# Altium PCB pdb.PcbDoc (part 1 of 3) (continued)
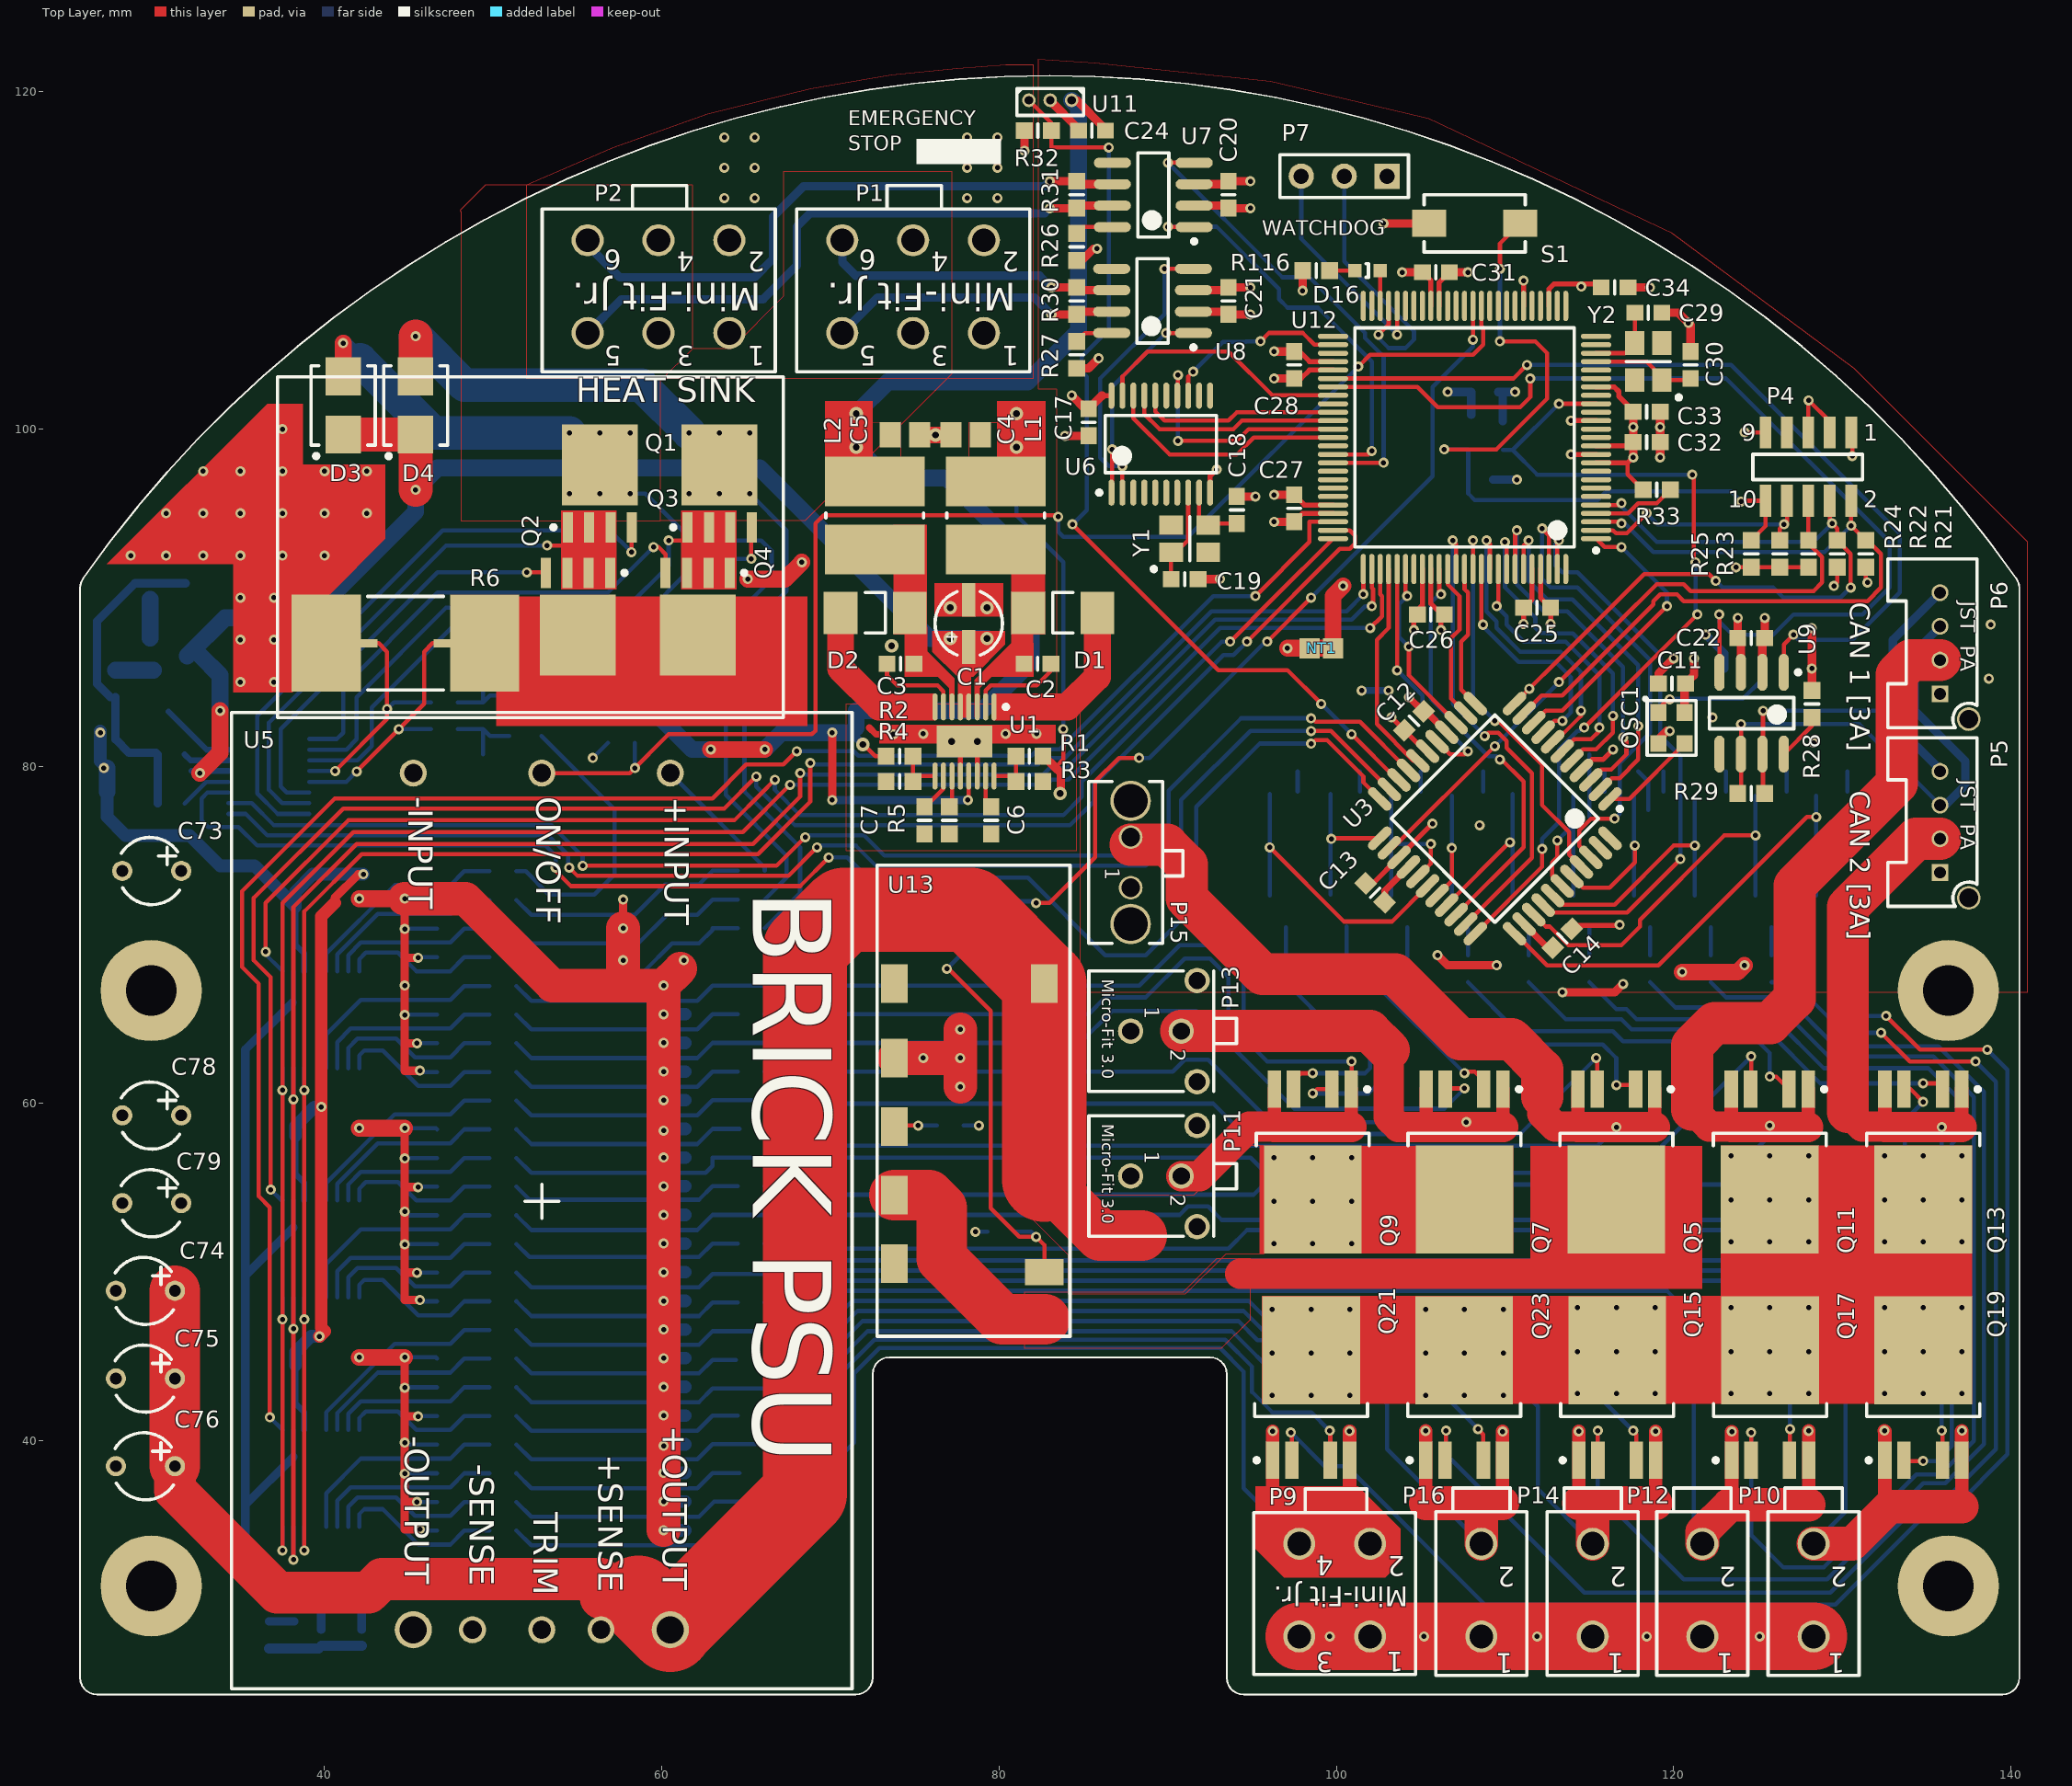
[diagram p0: Top Layer view]
## Design rules (kind name [scope] priority, off if disabled: settings)
Clearance PolygonPullback [All vs InPolygon] p1: gap=0.25
Clearance [All] p2: gap=0.15
ComponentClearance [All] p1: gap=0.25 collisioncheckmode=3 verticalgap=0.25 showdistances=FALSE
DiffPairsRouting [All] p1: maxlimit=0.3 minlimit=0.2 mostfreqgap=0.26 maxuncoupledlength=12.7
HoleSize [All] p1: absolutevalues=TRUE maxlimit=10 minlimit=0.2 maxpercent=80.000 minpercent=20.000
HoleToHoleClearance [All] p1: gap=0.25 allowstackedmicrovias=TRUE
MinimumAnnularRing [All] p1: minimumring=0.15
MinimumSolderMaskSliver [All] p1: minsoldermaskwidth=0.125
PlaneClearance [All] p1: clearance=0.25
PlaneConnect [All] p1: planeconnectstyle=Relief reliefexpansion=0.5 reliefentries=4 reliefconductorwidth=0.25 reliefairgap=0.25
PolygonConnect [All] p1: connectstyle=Relief reliefconductorwidth=0.25 reliefentries=4 polygonreliefangle="90 Angle"
RoutingVias [All] p1: holewidth=0.3 width=0.6 viastyle="Through Hole" minholewidth=0.3 minwidth=0.6 maxholewidth=0.4 maxwidth=0.8
SilkToSilkClearance [All] p1: silktosilkclearance=0.25
SilkscreenOverComponentPads [All] p1: minsilkscreentomaskgap=0.125
SolderMaskExpansion ViaCovering [(IsVia)] p1: expansion=-10
SolderMaskExpansion [All] p2: expansion=0.125
Width Power [InNetClass('Power')] p1: maxlimit=10 minlimit=0.25 preferedwidth=0.5
Width General [All] p2: maxlimit=10 minlimit=0.2 preferedwidth=0.25
19 further rules are at their usual default settings.

## Classes and differential pairs
channel class "output leds": U_outputleds1 U_outputleds2 U_outputleds3 U_outputleds4 U_outputleds5 U_outputleds6 U_outputleds7 U_outputleds8 U_outputleds9 U_outputleds10
channel class "output controller": "U_output controller1" "U_output controller2" "U_output controller3" "U_output controller4" "U_output controller5" "U_output controller6" "U_output controller7" "U_output controller8" "U_output controller9" "U_output controller10"
channel class "battery conn": "U_battery conn1" "U_battery conn2"
channel class ad7888: U_adc1 U_adc2 U_adc3
channel class "3.3V CAN Transciever": U_3 U_4 U_5
net class Power: +3.3 +5 GND NetC1_1
net class EN[1..10]: EN1 EN2 EN3 EN4 EN5 EN6 EN7 EN8 EN9 EN10
net class CPLD[15..0]: CPLD0 CPLD1 CPLD2 CPLD3 CPLD4 CPLD5 CPLD6 CPLD7 CPLD8 CPLD9 CPLD10 CPLD11 CPLD12 CPLD13 CPLD14 CPLD15
component class "U_spi can controller": C17 C18 C19 U6 Y1
component class "U_Reset Supervisor": C15 C16 U4
component class U_outputs: P9 P10 P11 P12 P13 P14 P15 P16
component class U_outputleds10: D14 R111
component class U_outputleds9: D13 R80
component class U_outputleds8: D12 R20
component class U_outputleds7: D11 R19
component class U_outputleds6: D10 R18
component class U_outputleds5: D9 R17
component class U_outputleds4: D8 R16
component class U_outputleds3: D7 R15
component class U_outputleds2: D6 R14
component class U_outputleds1: D5 R13
component class "U_output controller10": Q21 Q22 R75 R76 R77 R78 R79
component class "U_output controller9": Q19 Q20 R70 R71 R72 R73 R74
component class "U_output controller8": Q17 Q18 R65 R66 R67 R68 R69
component class "U_output controller7": Q15 Q16 R60 R61 R62 R63 R64
component class "U_output controller6": Q13 Q14 R55 R56 R57 R58 R59
component class "U_output controller5": Q11 Q12 R50 R51 R52 R53 R54
component class "U_output controller4": Q9 Q10 R45 R46 R47 R48 R49
component class "U_output controller3": Q7 Q8 R40 R41 R42 R43 R44
component class "U_output controller2": Q5 Q6 R35 R36 R37 R38 R39
component class "U_output controller1": Q23 Q24 R81 R82 R83 R84 R85
component class U_mcu: D16 P7 R116 U12
component class U_MCU_POWER: C25 C26 C27 C28 C29 C30 C31 C32 C33 C34 R33 Y2
component class U_logic: S1
component class "U_input power switching": C8 C9 C10 C71 D3 D4 D15 L3 Q1 Q2 Q3 Q4 R6 R7 R8 R9 R10 R11 R12 U2
component class "U_emergency stop": C24 R32 U11
component class "U_Dual 5V+3": C1 C2 C3 C4 C5 C6 C7 D1 D2 L1 L2 R1 R2 R3 R4 R5 U1
component class "U_current sense amp": C23 C68 C69 C70 C72 R114 R115 U10
component class U_cpld: C11 C12 C13 C14 OSC1 P3 U3
component class "U_can connector": P5 P6 R29
component class "U_battery conn2": P2 R31
component class "U_battery conn1": P1 R30
component class "U_ARM JTAG Header (vertical)": P4 R21 R22 R23 R24 R25
component class "U_analog ref": C65 C66 C67 U17
component class U_adc3: C55 C56 C57 C58 C59 C60 C61 C62 C63 C64 R103 R104 R105 R106 R107 R108 R109 R110 U16
component class U_adc2: C45 C46 C47 C48 C49 C50 C51 C52 C53 C54 R95 R96 R97 R98 R99 R100 R101 R102 U15
component class U_adc1: C35 C36 C37 C38 C39 C40 C41 C42 C43 C44 R87 R88 R89 R90 R91 R92 R93 R94 U14
component class "U_12V psu": C73 C74 C75 C76 C78 C79 R112 U5
component class "U_5V psu": R86 R113 U13
component class U_5: C22 R28 U9
component class U_4: C21 R27 U8
component class U_3: C20 R26 U7
component class pdb: NT1 NT2 NT3

## Components (designator, comment, footprint, x,y, rotation, side; value= is the part's Value field where it differs from the comment)
C1 "Cap Pol1" EEEHC1H2R2R 78.2,89.875 r180 top
C2 "Cap" C0603 82.275,86.075 r0 top
C3 "Cap" C0603 74.15,86.075 r180 top
C4 "Cap" C0805 78,99.65 r180 top
C5 "Cap" C0805 74.425,99.65 r0 top
C6 "Cap" C0603 79.525,76.8 r270 top
C7 "Cap" C0603 75.575,76.8 r270 top
C8 "Cap" C0603 27.6,84.9 r90 bottom (schematic designator C1)
C9 "Cap" C0603 30.9,80.7 r0 bottom (schematic designator C2)
C10 "Cap" C0603 30.9,77.8 r0 bottom (schematic designator C3)
C11 "Cap" C0603 119.9,84.9 r180 top (schematic designator C4)
C12 "Cap" C0603 104.6,82.7 r225 top (schematic designator C5)
C13 "Cap" C0603 102.3,72.5 r135 top (schematic designator C6)
C14 "Cap" C0603 113.4,69.8 r45 top (schematic designator C7)
C15 "Cap" C0603 108.8,102.2 r0 bottom (schematic designator C1)
C16 "Cap" C0603 108.5,97 r0 bottom (schematic designator C2)
C17 "Cap" C0603 85.3,100.4 r270 top (schematic designator C12)
C18 "Cap" C0603 94.1,95.2 r90 top (schematic designator C13)
C19 "Cap" C0603 91,91.1 r0 top (schematic designator C14)
C20 "Cap" C0603 93.6,113.9 r270 top (schematic designator C1)
C21 "Cap" C0603 93.6,107.6 r270 top (schematic designator C1)
C22 "Cap" C0603 124.6,87.6 r0 top (schematic designator C1)
C23 "Cap" C0603 54.1,85.6 r90 bottom (schematic designator C15)
C24 "Cap" C0603 85.5,117.7 r180 top (schematic designator C8)
C25 "Cap" C0603 111.9,89.4 r0 top (schematic designator C16)
C26 "Cap" C0603 105.6,89 r180 top (schematic designator C17)
C27 "Cap" C0603 97.5,95.3 r270 top (schematic designator C18)
C28 "Cap" C0603 97.5,103.8 r270 top (schematic designator C19)
C29 "Cap" C0603 118.5,106.9 r0 top (schematic designator C20)
C30 "Cap" C0603 121,103.8 r90 top (schematic designator C21)
C31 "Cap" C0603 105.9,109.3 r0 top (schematic designator C22)
C32 "Cap" C0603 118.4,99.225 r0 top (schematic designator C23)
C33 "Cap" C0603 118.4,101.025 r0 top (schematic designator C24)
C34 "Cap" C0603 116.5,108.4 r0 top (schematic designator C25)
C35 "Cap" C0603 47.475,73.775 r180 bottom (schematic designator C26)
C36 "Cap" C0603 39.075,71.675 r0 bottom (schematic designator C27)
C37 "Cap" C0603 39.075,70.175 r0 bottom (schematic designator C28)
C38 "Cap" C0603 47.475,72.075 r180 bottom (schematic designator C29)
C39 "Cap" C0603 47.475,70.375 r180 bottom (schematic designator C30)
C40 "Cap" C0603 47.475,68.675 r180 bottom (schematic designator C31)
C41 "Cap" C0603 47.475,61.875 r180 bottom (schematic designator C32)
C42 "Cap" C0603 47.475,63.575 r180 bottom (schematic designator C33)
C43 "Cap" C0603 47.475,65.275 r180 bottom (schematic designator C34)
C44 "Cap" C0603 47.475,66.975 r180 bottom (schematic designator C35)
C45 "Cap" C0603 47.475,46.575 r180 bottom (schematic designator C26)
C46 "Cap" C0603 39.075,44.475 r0 bottom (schematic designator C27)
C47 "Cap" C0603 39.075,42.975 r0 bottom (schematic designator C28)
C48 "Cap" C0603 47.475,44.875 r180 bottom (schematic designator C29)
C49 "Cap" C0603 47.475,43.175 r180 bottom (schematic designator C30)
C50 "Cap" C0603 47.475,41.475 r180 bottom (schematic designator C31)
C51 "Cap" C0603 47.475,34.675 r180 bottom (schematic designator C32)
C52 "Cap" C0603 47.475,36.375 r180 bottom (schematic designator C33)
C53 "Cap" C0603 47.475,38.075 r180 bottom (schematic designator C34)
C54 "Cap" C0603 47.475,39.775 r180 bottom (schematic designator C35)
C55 "Cap" C0603 47.475,60.175 r180 bottom (schematic designator C26)
C56 "Cap" C0603 39.075,58.075 r0 bottom (schematic designator C27)
C57 "Cap" C0603 39.075,56.575 r0 bottom (schematic designator C28)
C58 "Cap" C0603 47.475,58.475 r180 bottom (schematic designator C29)
C59 "Cap" C0603 47.475,56.775 r180 bottom (schematic designator C30)
C60 "Cap" C0603 47.475,55.075 r180 bottom (schematic designator C31)
C61 "Cap" C0603 47.475,48.275 r180 bottom (schematic designator C32)
C62 "Cap" C0603 47.475,49.975 r180 bottom (schematic designator C33)
C63 "Cap" C0603 47.475,51.675 r180 bottom (schematic designator C34)
C64 "Cap" C0603 47.475,53.375 r180 bottom (schematic designator C35)
C65 "Cap" C0603 36.7,28.5 r90 bottom (schematic designator C9)
C66 "Cap" C0603 38.2,28.5 r90 bottom (schematic designator C10)
C67 "Cap" C0603 40.6,31.3 r0 bottom (schematic designator C11)
C68 "Cap" C0603 49.4,83 r90 bottom (schematic designator C36)
C69 "Cap" C0603 49.4,79.9 r90 bottom (schematic designator C37)
C70 "Cap" C0603 49.4,86.1 r270 bottom (schematic designator C38)
C71 "Cap" C0603 30.9,79.3 r0 bottom (schematic designator C39)
C72 "Cap" C0603 55.5,85.6 r90 bottom (schematic designator C40)
C73 "Cap Pol1" Capacitor 28,73.8 r0 top (schematic designator C41)
C74 "Cap Pol1" Capacitor 27.625,48.9 r0 top (schematic designator C42)
C75 "Cap Pol1" Capacitor 27.625,43.7 r0 top (schematic designator C43)
C76 "Cap Pol1" Capacitor 27.625,38.5 r0 top (schematic designator C44)
C78 "Cap Pol1" Capacitor 28,59.3 r0 top (schematic designator C46)
C79 "Cap Pol1" Capacitor 28,54.1 r0 top (schematic designator C47)
D1 "D Schottky" VS-10BQ030TRPBF#1 83.775,89.1 r180 top
D2 "D Schottky" VS-10BQ030TRPBF#1 72.65,89.1 r0 top
D3 "Diode" VS-10BQ030TRPBF#2 41.1,101.4 r90 top (schematic designator D1)
D4 "Diode" VS-10BQ030TRPBF#2 45.4,101.4 r90 top (schematic designator D2)
D5 "" LGQ971 105,79.7 r180 bottom (schematic designator D3)
D6 "" LGQ971 108.7,79.7 r180 bottom (schematic designator D3)
D7 "" LGQ971 115.9,79.7 r180 bottom (schematic designator D3)
D8 "" LGQ971 112.2,79.7 r180 bottom (schematic designator D3)
D9 "" LGQ971 119.4,79.7 r180 bottom (schematic designator D3)
D10 "" LGQ971 123.1,79.7 r180 bottom (schematic designator D3)
D11 "" LGQ971 130.3,79.7 r180 bottom (schematic designator D3)
D12 "" LGQ971 126.7,79.7 r180 bottom (schematic designator D3)
D13 "" LGQ971 101.4,79.7 r180 bottom (schematic designator D3)
D14 "" LGQ971 97.7,79.7 r180 bottom (schematic designator D3)
D15 "Diode" MMBD914LT1G 30.7,89.9 r180 bottom (schematic designator D4)
D16 "" LGQ971 101.1,109.4 r0 top (schematic designator D5)
L1 "Inductor" SDR0604-150YL 79.8,94.875 r270 top
L2 "Inductor" SDR0604-150YL 72.625,94.875 r90 top
L3 "Inductor" 744045102 30.7,84.9 r270 bottom (schematic designator L1)
NT1 "Net Tie" NetTie 99.6,87 r180 top net-tie
NT2 "Net Tie" NetTie 59.6,86.8 r225 bottom net-tie
NT3 "Net Tie" NetTie 27.1,79.7 r270 bottom net-tie
OSC1 "8W-24.000MBB-T" 8W-24.000MBB-T 119.1,83.2 r270 top
P1 "Header 3X2" 39-28-1063 79.1,105.7 r180 top (schematic designator P9)
P2 "Header 3X2" 39-28-1063 64,105.7 r180 top (schematic designator P9)
P3 "Header 3" SMD_JUMPER_3PIN 123,85.8 r0 bottom (schematic designator P10)
P4 "Header 5X2" FTSH-105-01-L-DV 124.8,100.7 r270 top (schematic designator P1)
P5 "Header 4" B04B-PASK-1 135.8,79.7 r270 top (schematic designator P11)
P6 "Header 4" B04B-PASK-1 135.8,90.3 r270 top (schematic designator P12)
P7 "Header 3" HDR1X3 103,115 r180 top (schematic designator P13)
P9 "Header 2X2" 39-28-1043 102,28.4 r180 top (schematic designator P1)
P10 "Header 2" 39-28-1023 128.3,33.9 r180 top (schematic designator P2)
P11 "Header 2" 43045-0212 87.8,55.7 r270 top (schematic designator P3)
P12 "Header 2" 39-28-1023 121.7,33.9 r180 top (schematic designator P4)
P13 "Header 2" 43045-0212 87.8,64.3 r270 top (schematic designator P5)
P14 "Header 2" 39-28-1023 115.2,33.9 r180 top (schematic designator P6)
P15 "Header 2" 43650-0218 87.8,74.3 r270 top (schematic designator P7)
P16 "Header 2" 39-28-1023 108.6,33.9 r180 top (schematic designator P8)
Q1 "PSMN1R7-30YL" PSMN1R7-30YL 56.325,96.775 r90 top
Q2 "PSMN1R7-30YL" PSMN1R7-30YL 55.025,88.875 r270 top
Q3 "PSMN1R7-30YL" PSMN1R7-30YL 63.425,96.775 r90 top
Q4 "PSMN1R7-30YL" PSMN1R7-30YL 62.125,88.875 r270 top
Q5 "BTS6133D" BTS6133D 116.6,56.1 r270 top
Q6 "MOSFET-N" 2N7002 104.2,71.4 r270 bottom
Q7 "BTS6133D" BTS6133D 107.6,56.1 r270 top (schematic designator Q5)
Q8 "MOSFET-N" 2N7002 100.6,71.45 r270 bottom (schematic designator Q6)
Q9 "BTS6133D" BTS6133D 98.6,56.1 r270 top (schematic designator Q5)
Q10 "MOSFET-N" 2N7002 97,71.4 r270 bottom (schematic designator Q6)
Q11 "BTS6133D" BTS6133D 125.7,56.1 r270 top (schematic designator Q5)
Q12 "MOSFET-N" 2N7002 107.8,71.4 r270 bottom (schematic designator Q6)
Q13 "BTS6133D" BTS6133D 134.8,56.1 r270 top (schematic designator Q5)
Q14 "MOSFET-N" 2N7002 111.4,71.4 r270 bottom (schematic designator Q6)
Q15 "BTS6133D" BTS6133D 116.65,43.6 r90 top (schematic designator Q5)
Q16 "MOSFET-N" 2N7002 122.2,71.4 r270 bottom (schematic designator Q6)
Q17 "BTS6133D" BTS6133D 125.725,43.6 r90 top (schematic designator Q5)
Q18 "MOSFET-N" 2N7002 118.6,71.4 r270 bottom (schematic designator Q6)
Q19 "BTS6133D" BTS6133D 134.8,43.6 r90 top (schematic designator Q5)
Q20 "MOSFET-N" 2N7002 115,71.4 r270 bottom (schematic designator Q6)
Q21 "BTS6133D" BTS6133D 98.5,43.6 r90 top (schematic designator Q5)
Q22 "MOSFET-N" 2N7002 129.4,71.4 r270 bottom (schematic designator Q6)
Q23 "BTS6133D" BTS6133D 107.575,43.6 r90 top (schematic designator Q5)
Q24 "MOSFET-N" 2N7002 125.8,71.4 r270 bottom (schematic designator Q6)
R1 "Res" R0603 81.8,80.6 r0 top
R2 "Res" R0603 74.1,80.6 r180 top
R3 "Res" R0603 81.8,79.1 r180 top
R4 "Res" R0603 74.1,79.1 r0 top
R5 "Res" R0603 77.05,76.8 r90 top
R6 "Res Kelvin" WSR32L000FEA 44.8,87.3 r0 top net-tie (schematic designator R1)
R7 "Res2" R0603 65.3,72.1 r0 bottom (schematic designator R2)
R8 "Res2" R0603 65.3,70.4 r0 bottom (schematic designator R3)
R9 "Res2" R0603 65.3,73.8 r0 bottom (schematic designator R4)
R10 "Res" R0603 62.2,72.1 r180 bottom (schematic designator R5)
R11 "Res" R0603 62.2,70.4 r180 bottom (schematic designator R6)
R12 "Res" R0603 62.2,73.8 r180 bottom (schematic designator R7)
R13 "Res" R0603 104.1,78.4 r180 bottom (schematic designator R8)
R14 "Res" R0603 107.8,78.4 r180 bottom (schematic designator R8)
R15 "Res" R0603 115,78.4 r180 bottom (schematic designator R8)
R16 "Res" R0603 111.3,78.4 r180 bottom (schematic designator R8)
R17 "Res" R0603 118.5,78.4 r180 bottom (schematic designator R8)
R18 "Res" R0603 122.2,78.4 r180 bottom (schematic designator R8)
R19 "Res" R0603 129.4,78.4 r180 bottom (schematic designator R8)
R20 "Res" R0603 125.8,78.4 r180 bottom (schematic designator R8)
R21 "Res" R0603 131.4,92.6 r270 top (schematic designator R1)
R22 "Res" R0603 129.7,92.6 r270 top (schematic designator R2)
R23 "Res" R0603 126.3,92.6 r270 top (schematic designator R3)
R24 "Res" R0603 128,92.6 r270 top (schematic designator R4)
R25 "Res" R0603 124.6,92.6 r270 top (schematic designator R5)
R26 "Res" R0603 84.6,110.8 r90 top (schematic designator R1)
R27 "Res" R0603 84.6,104.4 r90 top (schematic designator R1)
R28 "Res" R0603 128.2,83.7 r270 top (schematic designator R1)
R29 "Res2" R0603 124.6,78.4 r180 top (schematic designator R10)
R30 "Res2" R0603 84.6,107.6 r270 top (schematic designator R11)
R31 "Res2" R0603 84.6,113.9 r270 top (schematic designator R11)
R32 "Res" R0603 82.3,117.7 r0 top (schematic designator R9)
R33 "Res" R0603 119,96.4 r180 top (schematic designator R13)
R35 "Res2" R0603 65.4,58.5 r0 bottom (schematic designator R15)
R36 "Res2" R0603 104.2,67.9 r270 bottom (schematic designator R16)
R37 "Res2" R0603 62.2,60.2 r0 bottom (schematic designator R17)
R38 "Res2" R0603 62.2,58.5 r0 bottom (schematic designator R18)
R39 "Res2" R0603 104.1,74 r180 bottom (schematic designator R19)
R40 "Res2" R0603 65.3,61.9 r0 bottom (schematic designator R15)
R41 "Res2" R0603 100.6,68.05 r270 bottom (schematic designator R16)
R42 "Res2" R0603 62.2,63.6 r0 bottom (schematic designator R17)
R43 "Res2" R0603 62.2,61.9 r0 bottom (schematic designator R18)
R44 "Res2" R0603 100.5,74.05 r180 bottom (schematic designator R19)
R45 "Res2" R0603 65.3,65.3 r0 bottom (schematic designator R15)
R46 "Res2" R0603 97,68 r270 bottom (schematic designator R16)
R47 "Res2" R0603 62.2,67 r0 bottom (schematic designator R17)
R48 "Res2" R0603 62.2,65.3 r0 bottom (schematic designator R18)
R49 "Res2" R0603 96.9,74 r180 bottom (schematic designator R19)
R50 "Res2" R0603 65.3,55.1 r0 bottom (schematic designator R15)
R51 "Res2" R0603 107.8,68 r270 bottom (schematic designator R16)
R52 "Res2" R0603 62.2,56.8 r0 bottom (schematic designator R17)
R53 "Res2" R0603 62.2,55.1 r0 bottom (schematic designator R18)
R54 "Res2" R0603 107.8,74.1 r180 bottom (schematic designator R19)
R55 "Res2" R0603 65.3,51.7 r0 bottom (schematic designator R15)
R56 "Res2" R0603 111.4,68 r270 bottom (schematic designator R16)
R57 "Res2" R0603 62.2,53.4 r0 bottom (schematic designator R17)
R58 "Res2" R0603 62.2,51.7 r0 bottom (schematic designator R18)
R59 "Res2" R0603 111.3,74 r180 bottom (schematic designator R19)
R60 "Res2" R0603 65.3,41.5 r0 bottom (schematic designator R15)
R61 "Res2" R0603 122.2,68 r270 bottom (schematic designator R16)
R62 "Res2" R0603 62.2,43.2 r0 bottom (schematic designator R17)
R63 "Res2" R0603 62.2,41.5 r0 bottom (schematic designator R18)
R64 "Res2" R0603 122.2,74.1 r180 bottom (schematic designator R19)
R65 "Res2" R0603 65.3,44.9 r0 bottom (schematic designator R15)
R66 "Res2" R0603 118.6,68 r270 bottom (schematic designator R16)
R67 "Res2" R0603 62.2,46.6 r0 bottom (schematic designator R17)
R68 "Res2" R0603 62.2,44.9 r0 bottom (schematic designator R18)
R69 "Res2" R0603 118.5,74.2 r180 bottom (schematic designator R19)
R70 "Res2" R0603 65.3,48.3 r0 bottom (schematic designator R15)
R71 "Res2" R0603 115,68 r270 bottom (schematic designator R16)
R72 "Res2" R0603 62.2,50 r0 bottom (schematic designator R17)
R73 "Res2" R0603 62.2,48.3 r0 bottom (schematic designator R18)
R74 "Res2" R0603 115,74.1 r180 bottom (schematic designator R19)
R75 "Res2" R0603 65.3,34.7 r0 bottom (schematic designator R15)
R76 "Res2" R0603 129.4,68 r270 bottom (schematic designator R16)
R77 "Res2" R0603 62.2,36.4 r0 bottom (schematic designator R17)
R78 "Res2" R0603 62.2,34.7 r0 bottom (schematic designator R18)
R79 "Res2" R0603 129.4,74.2 r180 bottom (schematic designator R19)
R80 "Res" R0603 100.5,78.4 r180 bottom (schematic designator R8)
R81 "Res2" R0603 65.3,38.1 r0 bottom (schematic designator R15)
R82 "Res2" R0603 125.8,68 r270 bottom (schematic designator R16)
R83 "Res2" R0603 62.2,39.8 r0 bottom (schematic designator R17)
R84 "Res2" R0603 62.2,38.1 r0 bottom (schematic designator R18)
R85 "Res2" R0603 125.8,74.2 r180 bottom (schematic designator R19)
R86 "Res2" R0603 77.1,58.7 r180 bottom (schematic designator R20)
R87 "Res2" R0603 50.575,73.775 r180 bottom (schematic designator R21)
R88 "Res2" R0603 50.575,72.075 r180 bottom (schematic designator R22)
R89 "Res2" R0603 50.575,70.375 r180 bottom (schematic designator R23)
R90 "Res2" R0603 50.575,68.675 r180 bottom (schematic designator R24)
R91 "Res2" R0603 50.575,61.875 r180 bottom (schematic designator R25)
R92 "Res2" R0603 50.575,63.575 r180 bottom (schematic designator R26)
R93 "Res2" R0603 50.575,65.275 r180 bottom (schematic designator R27)
R94 "Res2" R0603 50.575,66.975 r180 bottom (schematic designator R28)
R95 "Res2" R0603 50.575,46.575 r180 bottom (schematic designator R21)
R96 "Res2" R0603 50.575,44.875 r180 bottom (schematic designator R22)
R97 "Res2" R0603 50.575,43.175 r180 bottom (schematic designator R23)
R98 "Res2" R0603 50.575,41.475 r180 bottom (schematic designator R24)
R99 "Res2" R0603 50.575,34.675 r180 bottom (schematic designator R25)
R100 "Res2" R0603 50.575,36.375 r180 bottom (schematic designator R26)
R101 "Res2" R0603 50.575,38.075 r180 bottom (schematic designator R27)
R102 "Res2" R0603 50.575,39.775 r180 bottom (schematic designator R28)
R103 "Res2" R0603 50.575,60.175 r180 bottom (schematic designator R21)
R104 "Res2" R0603 50.575,58.475 r180 bottom (schematic designator R22)
R105 "Res2" R0603 50.575,56.775 r180 bottom (schematic designator R23)
R106 "Res2" R0603 50.575,55.075 r180 bottom (schematic designator R24)
R107 "Res2" R0603 50.575,48.275 r180 bottom (schematic designator R25)
R108 "Res2" R0603 50.575,49.975 r180 bottom (schematic designator R26)
R109 "Res2" R0603 50.575,51.675 r180 bottom (schematic designator R27)
R110 "Res2" R0603 50.575,53.375 r180 bottom (schematic designator R28)
R111 "Res" R0603 96.8,78.4 r180 bottom (schematic designator R8)
R112 "Res" R0603 57.6,81.4 r180 bottom (schematic designator R29)
R113 "Res" R0603 80.1,52.4 r180 bottom (schematic designator R30)
R114 "Res2" R0603 47.1,82.2 r180 bottom (schematic designator R12)
R115 "Res2" R0603 47.1,83.8 r180 bottom (schematic designator R31)
R116 "Res" R0603 98.8,109.4 r180 top (schematic designator R32)
S1 "SW-PB" DTSM-32S-B 108.2,112.2 r0 top
U1 "LT3509" LT3509 77.95,81.475 r270 top
U2 "LTC1473" LTC1473 36.7,79.4 r0 bottom (schematic designator U1)
U3 "XC9572XL-10VQG44C" VQG44_N 109.4,76.9 r225 top (schematic designator U2)
U4 "STM811" STM811 108.843,99.713 r180 bottom (schematic designator U1)
U5 "UQQ-12/8-Q12PB-C" UQQ-12/8-Q12PB-C 52.88,54.2 r270 top
U6 "MCP2515" MCP2515 89.586,99.108 r90 top
U7 "SN65HVD230DR" SN65HVD230DR 89.143,113.886 r180 top (schematic designator U1)
U8 "SN65HVD230DR" SN65HVD230DR 89.1,107.6 r180 top (schematic designator U1)
U9 "SN65HVD230DR" SN65HVD230DR 124.625,83.15 r270 top (schematic designator U1)
U10 "AD8211YRJZ-R2" AD8211YRJZ-R2 51.9,83 r90 bottom (schematic designator U7)
U11 "A1101EUA-T" A1101EUA-T 84.3,119.5 r180 top (schematic designator U3)
U12 "LPC1768" LPC1768 107.6,99.5 r180 top (schematic designator U8)
U13 "LSM2-T/6-D12-C" LSM2-T/6-D12-C 84.2,46.2 r90 top (schematic designator U9)
U14 "AD7888" AD7888 39.775,64.975 r270 bottom (schematic designator U10)
U15 "AD7888" AD7888 39.775,37.775 r270 bottom (schematic designator U10)
U16 "AD7888" AD7888 39.775,51.375 r270 bottom (schematic designator U10)
U17 "ADR3433ARJZ" ADR3433ARJZ 41,28.8 r180 bottom (schematic designator U4)
Y1 "XTAL" C3E-24.000-12-3030-X 90.2,92.7 r0 top
Y2 "XTAL" C3E-24.000-12-3030-X 119.3,102.9 r90 top

## Footprints (in the part's own frame and the unit in brackets; to place one, negate y for a bottom-side part, rotate by r counter-clockwise, add the part's x,y. Pads: shape width x height; smd on the part's side, far side on the other; paste and mask are expansions set on the pad)
2N7002 [mm] "N channel MOSFET"
  rect 1.4x0.6 smd: 1(-0.95,0.95) 2(-0.95,-0.95) 3(0.95,0)
  silkscreen extent -1.07,-1.5 0.7,1.92, body extent -0.7,-1.5 0.7,1.5, height 1.1
8W-24.000MBB-T [mm] "TXC - 8W-24.000MBB-T - OSC, 24.000MHZ, 3.3V, SMD, 2.5X2.0"
  rect 1x0.95 smd: 1(0,0) 2(1.85,0) 3(1.85,1.55) 4(0,1.55)
  silkscreen extent -0.9,-0.87 2.55,2.22, body extent -0.33,-0.25 2.17,1.75, height 0.6
39-28-1023 [mm] "MOLEX - 39-28-1023 - HEADER, MINI-FIT, 2WAY"
  round 1.9 hole 1.4: 1(0,5.5) 2(0,0)
  silkscreen extent -2.7,-3.3 2.7,7.8, body extent -3.1,-3.25 3.1,7.75, height 12.8
39-28-1043 [mm] "MOLEX - 39-28-1043 - HEADER, MINI-FIT, 4WAY"
  round 1.9 hole 1.4: 1(0,0) 2(0,-5.5) 3(4.2,0) 4(4.2,-5.5)
  silkscreen extent -2.7,-8.75 6.9,2.25, body extent -3.1,-8.75 7.3,2.25, height 12.8
39-28-1063 [mm] "MOLEX - 39-28-1063 - HEADER, MINI-FIT, 6WAY"
  round 1.9 hole 1.4: 1(0,0) 2(0,-5.5) 3(4.2,0) 4(4.2,-5.5) 5(8.4,0) 6(8.4,-5.5)
  silkscreen extent -2.72,-8.75 11.1,2.3, body extent -3.1,-8.75 11.5,2.25, height 12.8
43045-0212 [mm] "MOLEX - 43045-0212 - HEADER, VERTICAL, 2WAY"
  round 1.5 hole 1.02: 1(0,0) 2(0,3) ""(-3,3.94) ""(3,3.94)
  silkscreen extent -3.57,-2.47 3.57,6.27, body extent -3.57,-2.49 3.57,6.28, height 9.95
43650-0218 [mm] "MOLEX - 43650-0218 - HEADER, 3.0MM, 2WAY"
  round 1.4 hole 1.1: 1(1.5,0) 2(-1.5,0)
  round 2.4 hole 2: ""(-3.65,0) ""(3.65,0)
  silkscreen extent -4.8,-2.5 4.8,3.1, body extent -4.82,-2.48 4.82,3.09, height 9.95
744045102 [mm] "WUERTH ELEKTRONIK - 744045102 - INDUCTOR, 1812 CASE, 1000µH"
  rect 2.7x3.6 smd: 1(-1.65,0) 2(1.65,0)
  silkscreen extent -2.8,-2.1 2.8,2.1, body extent -2.4,-1.75 2.4,1.75, height 2.9
A1101EUA-T [mm] "ALLEGRO MICROSYSTEMS - A1101EUA-T - HALL EFFECT SWITCH, SIP-3, 1101"
  round 0.8 hole 0.5: 1(0,0) 2(1.27,0) 3(2.54,0)
  silkscreen extent -0.7,-0.7 3.25,0.9, body extent -0.7,-0.72 3.25,0.9, height 3.1
AD7888 [mm] "ANALOG DEVICES - AD7888ARUZ - IC, 12BIT ADC, 8CH, SERIAL, 16TSSOP"
  oval 1.55x0.35 smd mask+0.15: 1(-2.875,2.275) 2(-2.875,1.625) 3(-2.875,0.975) 4(-2.875,0.325) 5(-2.875,-0.325) 6(-2.875,-0.975) 7(-2.875,-1.625) 8(-2.875,-2.275) 9(2.875,-2.275) 10(2.875,-1.625) 11(2.875,-0.975) 12(2.875,-0.325) 13(2.875,0.325) 14(2.875,0.975) 15(2.875,1.625) 16(2.875,2.275)
  silkscreen extent -3,-2.55 1.7,3.12, body extent -2.25,-2.55 2.25,2.55, height 1.2
AD8211YRJZ-R2 [mm] "ANALOG DEVICES - AD8211YRJZ-R2 - IC, CURRENT,MONITOR,0.25%,SOT23-5"
  rect 1.1x0.6 smd mask+0.1: 1(-1.2,0.95) 2(-1.2,0) 3(-1.2,-0.95) 4(1.2,-0.95) 5(1.2,0.95)
  silkscreen extent -1.32,-1.5 0.25,1.93, body extent -0.85,-1.5 0.85,1.5, height 1.45
ADR3433ARJZ [mm] "ANALOG DEVICES - ADR3433ARJZ - IC, VOLT REF, 3.3V, 6SOT23"
  rect 1.1x0.6 smd mask+0.1: 1(-1.2,0.95) 2(-1.2,0) 3(-1.2,-0.95) 4(1.2,-0.95) 5(1.2,0) 6(1.2,0.95)
  silkscreen extent -1.33,-1.5 0.25,1.92, body extent -0.85,-1.5 0.85,1.5, height 1.45
B04B-PASK-1 [mm] "JST (JAPAN SOLDERLESS TERMINALS) - B04B-PASK-1 - HEADER, PA, 4WAY, TOP, 2MM, W/BOSS"
  rect 1x1 hole 0.7: 1(6,0)
  round 1 hole 0.7: 2(4,0) 3(2,0) 4(0,0)
  round 1.4 hole 1.1: ""(7.5,1.7)
  silkscreen extent -2,-3.1 8,2.2, body extent -2,-3.1 8,2.2, height 7.75
BTS6133D [mm] "INFINEON - BTS6133D - IC, PROFET, P-TO252-5"
  rect 2.2x0.8 smd: 1(-4.75,2.28) 2(-4.75,1.14) 4(-4.75,-1.14) 5(-4.75,-2.28)
  rect 6.4x5.8 smd: 6(1.778,0)
  silkscreen extent -4.87,-3.35 -1.4,3.36, body extent -2.15,-3.32 4.07,3.32, height 2.35
C3E-24.000-12-3030-X [mm]
  rect 1.4x1.15 smd: 1(0,0) 2(2.2,1.6) 3(2.2,0) 4(0,1.6)
  silkscreen extent -1.15,-1.12 1.1,2.1, body extent -0.6,-0.5 2.8,2.1, height 0.75
C0603 [mm] "Chip Capacitor, 2-Leads, Body 1.6x0.8mm, IPC Medium Density"
  rect 1x0.95 smd: 1(-0.8,0) 2(0.8,0)
  silkscreen extent 0,-0.38 0,0.38, body extent -0.88,-0.48 0.87,0.48, height 0.8
C0805 [mm] "KEMET - C0805C104K5RACTU - CAPACITOR, 0805, 100NF, 50V, X7R"
  rect 1.25x1.5 smd: 1(-0.889,0) 2(0.861,0)
  body extent -1.12,-0.72 1.09,0.72, height 1
Capacitor [mm]
  round 1.2 hole 0.7: 1(3.5,0) 2(0,0)
  silkscreen extent -0.05,-2 3.4,1.98
DTSM-32S-B [mm] "MULTICOMP - DTSM-32S-B - TACTILE SWITCH, SPNO, SMD, 50MA"
  rect 2x1.6 smd: 1(-2.7,0) 2(2.7,0)
  silkscreen extent -3,-1.7 3,1.7, body extent -3.67,-1.75 3.67,1.75, height 2.08
EEEHC1H2R2R [mm] "PANASONIC - EEEHC1H2R2R - CAPACITOR, ELECTROLYTIC, 50V, 2.2UF"
  rect 0.8x2 smd: 1(0,2.8) 2(0,0)
  silkscreen extent -2,-0.48 2,3.28, body extent -2.15,-0.9 2.15,3.7, height 5.9
FTSH-105-01-L-DV [mm] "HEADER, 1.27MM, SMD, 10WAY"
  rect 1.9x0.7 smd: 1(0.9,5.725) 2(4.95,5.725) 3(0.9,4.456) 4(4.95,4.456) 5(0.9,3.187) 6(4.95,3.187) 7(0.9,1.919) 8(4.95,1.919) 9(0.9,0.65) 10(4.95,0.65)
  silkscreen extent 2.2,-0.1 3.7,6.4, body extent 0,0 5.84,6.35, height 5.97
HDR1X3 [mm] "Connector; Header; 3 Position"
  rect 1.5x1.5 hole 0.9: 1(0,0)
  round 1.5 hole 0.9: 2(2.54,0) 3(5.08,0)
  silkscreen extent -1.27,-1.27 6.35,1.27
LGQ971 [mm] "OSRAM - LGQ971 - LED, SMD, GREEN"
  rect 0.8x0.8 smd: 1(0,0) 2(1.5,0)
  silkscreen extent 0.65,-0.4 0.8,0.4, body extent 0.02,-0.4 1.42,0.4, height 0.9
LPC1768 [mm] "TSQFP, 100-Leads, Body 16.8x16.8mm (max), Pitch 0.50mm, IPC Medium Density"
  oval 1.8x0.3 smd: 1(-7.8,6) 2(-7.8,5.5) 3(-7.8,5) 4(-7.8,4.5) 5(-7.8,4) 6(-7.8,3.5) 7(-7.8,3) 8(-7.8,2.5) 9(-7.8,2) 10(-7.8,1.5) 11(-7.8,1) 12(-7.8,0.5) 13(-7.8,0) 14(-7.8,-0.5) 15(-7.8,-1) 16(-7.8,-1.5) 17(-7.8,-2) 18(-7.8,-2.5) 19(-7.8,-3) 20(-7.8,-3.5) 21(-7.8,-4) 22(-7.8,-4.5) 23(-7.8,-5) 24(-7.8,-5.5) 25(-7.8,-6) 51(7.8,-6) 52(7.8,-5.5) 53(7.8,-5) 54(7.8,-4.5) 55(7.8,-4) 56(7.8,-3.5) 57(7.8,-3) 58(7.8,-2.5) 59(7.8,-2) 60(7.8,-1.5) 61(7.8,-1) 62(7.8,-0.5) 63(7.8,0) 64(7.8,0.5) 65(7.8,1) 66(7.8,1.5) 67(7.8,2) 68(7.8,2.5) 69(7.8,3) 70(7.8,3.5) 71(7.8,4) 72(7.8,4.5) 73(7.8,5) 74(7.8,5.5) 75(7.8,6)
  oval 0.3x1.8 smd: 26(-6,-7.8) 27(-5.5,-7.8) 28(-5,-7.8) 29(-4.5,-7.8) 30(-4,-7.8) 31(-3.5,-7.8) 32(-3,-7.8) 33(-2.5,-7.8) 34(-2,-7.8) 35(-1.5,-7.8) 36(-1,-7.8) 37(-0.5,-7.8) 38(0,-7.8) 39(0.5,-7.8) 40(1,-7.8) 41(1.5,-7.8) 42(2,-7.8) 43(2.5,-7.8) 44(3,-7.8) 45(3.5,-7.8) 46(4,-7.8) 47(4.5,-7.8) 48(5,-7.8) 49(5.5,-7.8) 50(6,-7.8) 76(6,7.8) 77(5.5,7.8) 78(5,7.8) 79(4.5,7.8) 80(4,7.8) 81(3.5,7.8) 82(3,7.8) 83(2.5,7.8) 84(2,7.8) 85(1.5,7.8) 86(1,7.8) 87(0.5,7.8) 88(0,7.8) 89(-0.5,7.8) 90(-1,7.8) 91(-1.5,7.8) 92(-2,7.8) 93(-2.5,7.8) 94(-3,7.8) 95(-3.5,7.8) 96(-4,7.8) 97(-4.5,7.8) 98(-5,7.8) 99(-5.5,7.8) 100(-6,7.8)
  silkscreen extent -7.93,-6.5 6.5,6.82, body extent -7,-7 7,7, height 1.6
LSM2-T/6-D12-C [mm] "MURATA POWER SOLUTIONS - LSM2-T/6-D12-C - CONVERTER, DC/DC, 0.75-5V/6A"
  rect 1.57x2.29 smd: 1(3.81,1.52)
  rect 2.29x1.57 smd: 2(20.93,1.52) 3(20.93,10.41) 4(16.5,10.41) 5(12.44,10.41) 6(8.38,10.41) 7(4.32,10.41)
  silkscreen extent 0,0 27.94,11.43, body extent 0.1,0 27.9,11.4, height 7.62
LT3509 [mm] "LT3509"
  oval 1.6x0.3 smd: 1(-2.05,1.75) 2(-2.05,1.25) 3(-2.05,0.75) 4(-2.05,0.25) 5(-2.05,-0.25) 6(-2.05,-0.75) 7(-2.05,-1.25) 8(-2.05,-1.75) 9(2.05,-1.75) 10(2.05,-1.25) 11(2.05,-0.75) 12(2.05,-0.25) 13(2.05,0.25) 14(2.05,0.75) 15(2.05,1.25) 16(2.05,1.75)
  rect 1.9x3.3 smd mask+0: 17(0,0)
  silkscreen extent -2.17,2.33 -1.93,2.58, body extent -1.55,-2.07 1.55,2.07, height 1.1
LTC1473 [mm] "LINEAR TECHNOLOGY - LTC1473CGN#PBF - SWITCH DRIVER, SMD, SSOP16, 1473"
  oval 2.2x0.35 smd: 1(-2.4,2.222) 2(-2.4,1.587) 3(-2.4,0.953) 4(-2.4,0.318) 5(-2.4,-0.318) 6(-2.4,-0.953) 7(-2.4,-1.587) 8(-2.4,-2.222) 9(2.4,-2.222) 10(2.4,-1.587) 11(2.4,-0.953) 12(2.4,-0.318) 13(2.4,0.318) 14(2.4,0.953) 15(2.4,1.587) 16(2.4,2.222)
  silkscreen extent -2.52,-2.5 0.9,3.07, body extent -1.99,-2.49 1.99,2.49, height 1.73
MCP2515 [mm] "MICROCHIP - MCP2515-I/ST - CAN CONTROLLER, SMD, 2515, TSSOP20"
  oval 1.55x0.35 smd mask+0.15: 1(-2.875,2.925) 2(-2.875,2.275) 3(-2.875,1.625) 4(-2.875,0.975) 5(-2.875,0.325) 6(-2.875,-0.325) 7(-2.875,-0.975) 8(-2.875,-1.625) 9(-2.875,-2.275) 10(-2.875,-2.925) 11(2.875,-2.925) 12(2.875,-2.275) 13(2.875,-1.625) 14(2.875,-0.975) 15(2.875,-0.325) 16(2.875,0.325) 17(2.875,0.975) 18(2.875,1.625) 19(2.875,2.275) 20(2.875,2.925)
  silkscreen extent -3,-3.3 1.7,3.77, body extent -2.25,-3.3 2.25,3.3, height 1.2
MMBD914LT1G [mm] "ON SEMICONDUCTOR - MMBD914LT1G - DIODE, SIGNAL, 100V, SOT-23"
  rect 1.3x0.6 smd: 1(-1.05,0.95) 2(1.05,0) ""(-1.05,-0.95)
  silkscreen extent -1.18,-1.5 0.7,1.92, body extent -0.7,-1.52 0.7,1.52, height 1.11
NetTie [mm] "Net Tie"
  rect 1.2x1.2 smd: 1(-0.2,0) 2(1.2,0)
  Top Layer lines w1: 1.2,0 -0.2,0
PSMN1R7-30YL [mm] "NXP - PSMN1R7-30YL - MOSFET, N CH 30V 100A SOT669"
  rect 1.8x0.6 smd: 1(-2.6,1.905) 2(-2.6,0.635) 3(-2.6,-0.635) 4(-2.6,-1.905)
  rect 4.8x4.5 smd: 5(1.1,0)
  silkscreen extent -2.72,2.63 -2.48,2.88, body extent -1.9,-2.5 2.2,2.5, height 1.2
R0603 [mm]
  rect 1x1 smd: 1(-0.8,0) 2(0.8,0)
  silkscreen extent 0,-0.4 0,0.4, body extent -0.85,-0.48 0.85,0.47, height 0.45
SDR0604-150YL [mm] "BOURNS - SDR0604-150YL - INDUCTOR, SMD, 15UH, 1.6A"
  rect 2.95x5.9 smd: 1(-2.025,0) 2(2.025,0)
  silkscreen extent -0.15,-2.9 0.15,2.9, body extent -2.9,-2.88 2.9,2.92, height 4.8
SMD_JUMPER_3PIN [mm] "3-PIN SMD JUMPER PAD"
  rect 2x2 smd: 1(0,0) 2(2.2,0) 3(4.4,0)
  silkscreen extent -1.2,-1.2 5.6,1.2
SN65HVD230DR [mm] "TEXAS INSTRUMENTS - SN65HVD230DR - TRANSCEIVER CAN, 65HVD230, SOIC8"
  oval 2.2x0.6 smd: 1(-2.425,1.905) 2(-2.425,0.635) 3(-2.425,-0.635) 4(-2.425,-1.905) 5(2.425,-1.905) 6(2.425,-0.635) 7(2.425,0.635) 8(2.425,1.905)
  silkscreen extent -2.55,-2.5 0.93,2.88, body extent -2,-2.5 2,2.5, height 1.75
STM811 [mm] "SOT143, 4-Leads, Body 3.0x2.6mm (max), Pitch 1.92mm, IPC Medium Density"
  rect 1.35x1.05 smd: 1(-1.025,0.76)
  rect 1.35x0.65 smd: 2(-1.025,-0.96) 3(1.025,-0.96) 4(1.025,0.96)
  silkscreen extent -1.15,-1.6 0.7,1.96, body extent -0.7,-1.52 0.7,1.52, height 1.12
UQQ-12/8-Q12PB-C [mm] "MURATA POWER SOLUTIONS - UQQ-12/8-Q12PB-C - CONVERTER, DC/DC, 8A 12-12V Q-BRICK"
  round 1.6 hole 1.1: 1(-25.4,-7.62) 2(-25.4,0) 3(-25.4,7.62) 5(25.4,-4.11) 6(25.4,0) 7(25.4,3.51)
  round 2.2 hole 1.6: 4(25.4,-7.62) 8(25.4,7.62)
  silkscreen extent -29,-18.4 28.9,18.4, body extent -28.2,-18.4 28.2,18.4, height 12.7
VQG44_N [mm] "Thin QFP, 44-Leads, Body 10x10mm, Pitch 0.8mm, IPC Medium Density"
  oval 1.75x0.55 smd: 1(-5.65,4) 2(-5.65,3.2) 3(-5.65,2.4) 4(-5.65,1.6) 5(-5.65,0.8) 6(-5.65,0) 7(-5.65,-0.8) 8(-5.65,-1.6) 9(-5.65,-2.4) 10(-5.65,-3.2) 11(-5.65,-4) 23(5.65,-4) 24(5.65,-3.2) 25(5.65,-2.4) 26(5.65,-1.6) 27(5.65,-0.8) 28(5.65,0) 29(5.65,0.8) 30(5.65,1.6) 31(5.65,2.4) 32(5.65,3.2) 33(5.65,4)
  oval 0.55x1.75 smd: 12(-4,-5.65) 13(-3.2,-5.65) 14(-2.4,-5.65) 15(-1.6,-5.65) 16(-0.8,-5.65) 17(0,-5.65) 18(0.8,-5.65) 19(1.6,-5.65) 20(2.4,-5.65) 21(3.2,-5.65) 22(4,-5.65) 34(4,5.65) 35(3.2,5.65) 36(2.4,5.65) 37(1.6,5.65) 38(0.8,5.65) 39(0,5.65) 40(-0.8,5.65) 41(-1.6,5.65) 42(-2.4,5.65) 43(-3.2,5.65) 44(-4,5.65)
  silkscreen extent -5.77,-4.35 4.35,4.95, body extent -5,-5 5,5, height 1.2
VS-10BQ030TRPBF#1 [mm] "VISHAY FORMERLY I.R. - VS-10BQ030TRPBF - DIODE, SCHOTTKY, 1A, 30V"
  rect 2x2.5 smd: 1(-2.05,0) 2(2.05,0)
  silkscreen extent -0.6,-1.2 0.6,1.2, body extent -2.2,-1.8 2.2,1.8, height 2.4
VS-10BQ030TRPBF#2 [mm] "VISHAY FORMERLY I.R. - VS-10BQ030TRPBF - DIODE, SCHOTTKY, 1A, 30V"
  rect 2.25x2.1 smd: 1(1.725,0) 2(-1.725,0)
  silkscreen extent -3.12,-1.9 2.35,1.9, body extent -2.35,-1.9 2.35,1.9, height 2.4
WSR32L000FEA [mm] "VISHAY DALE - WSR32L000FEA - RESISTOR, METAL STRIP, 0.002 OHM 1%"
  rect 4.1x5.75 smd: 1(-4.7,0) 2(4.7,0)
  rect 1x0.5 smd: 3(-2.159,0) 4(2.159,0)
  silkscreen extent -2.25,-2.77 2.25,2.78, body extent -6.19,-2.79 6.18,2.8, height 2.53